# Altium PCB H-00488.PcbDoc (part 9 of 9)
Units mm, origin at the board's own origin, x right, y up, seen from the top; angles counter-clockwise.
Board outline 141.5 x 129 mm, 4 copper layers (Top Layer, Ground Plane, Power Plane, Bottom Layer), stack 1.536 mm thick; 527 components, 572 nets, 2185 pads, 1060 vias.
Unrouted connection lines stored in the file: 97.
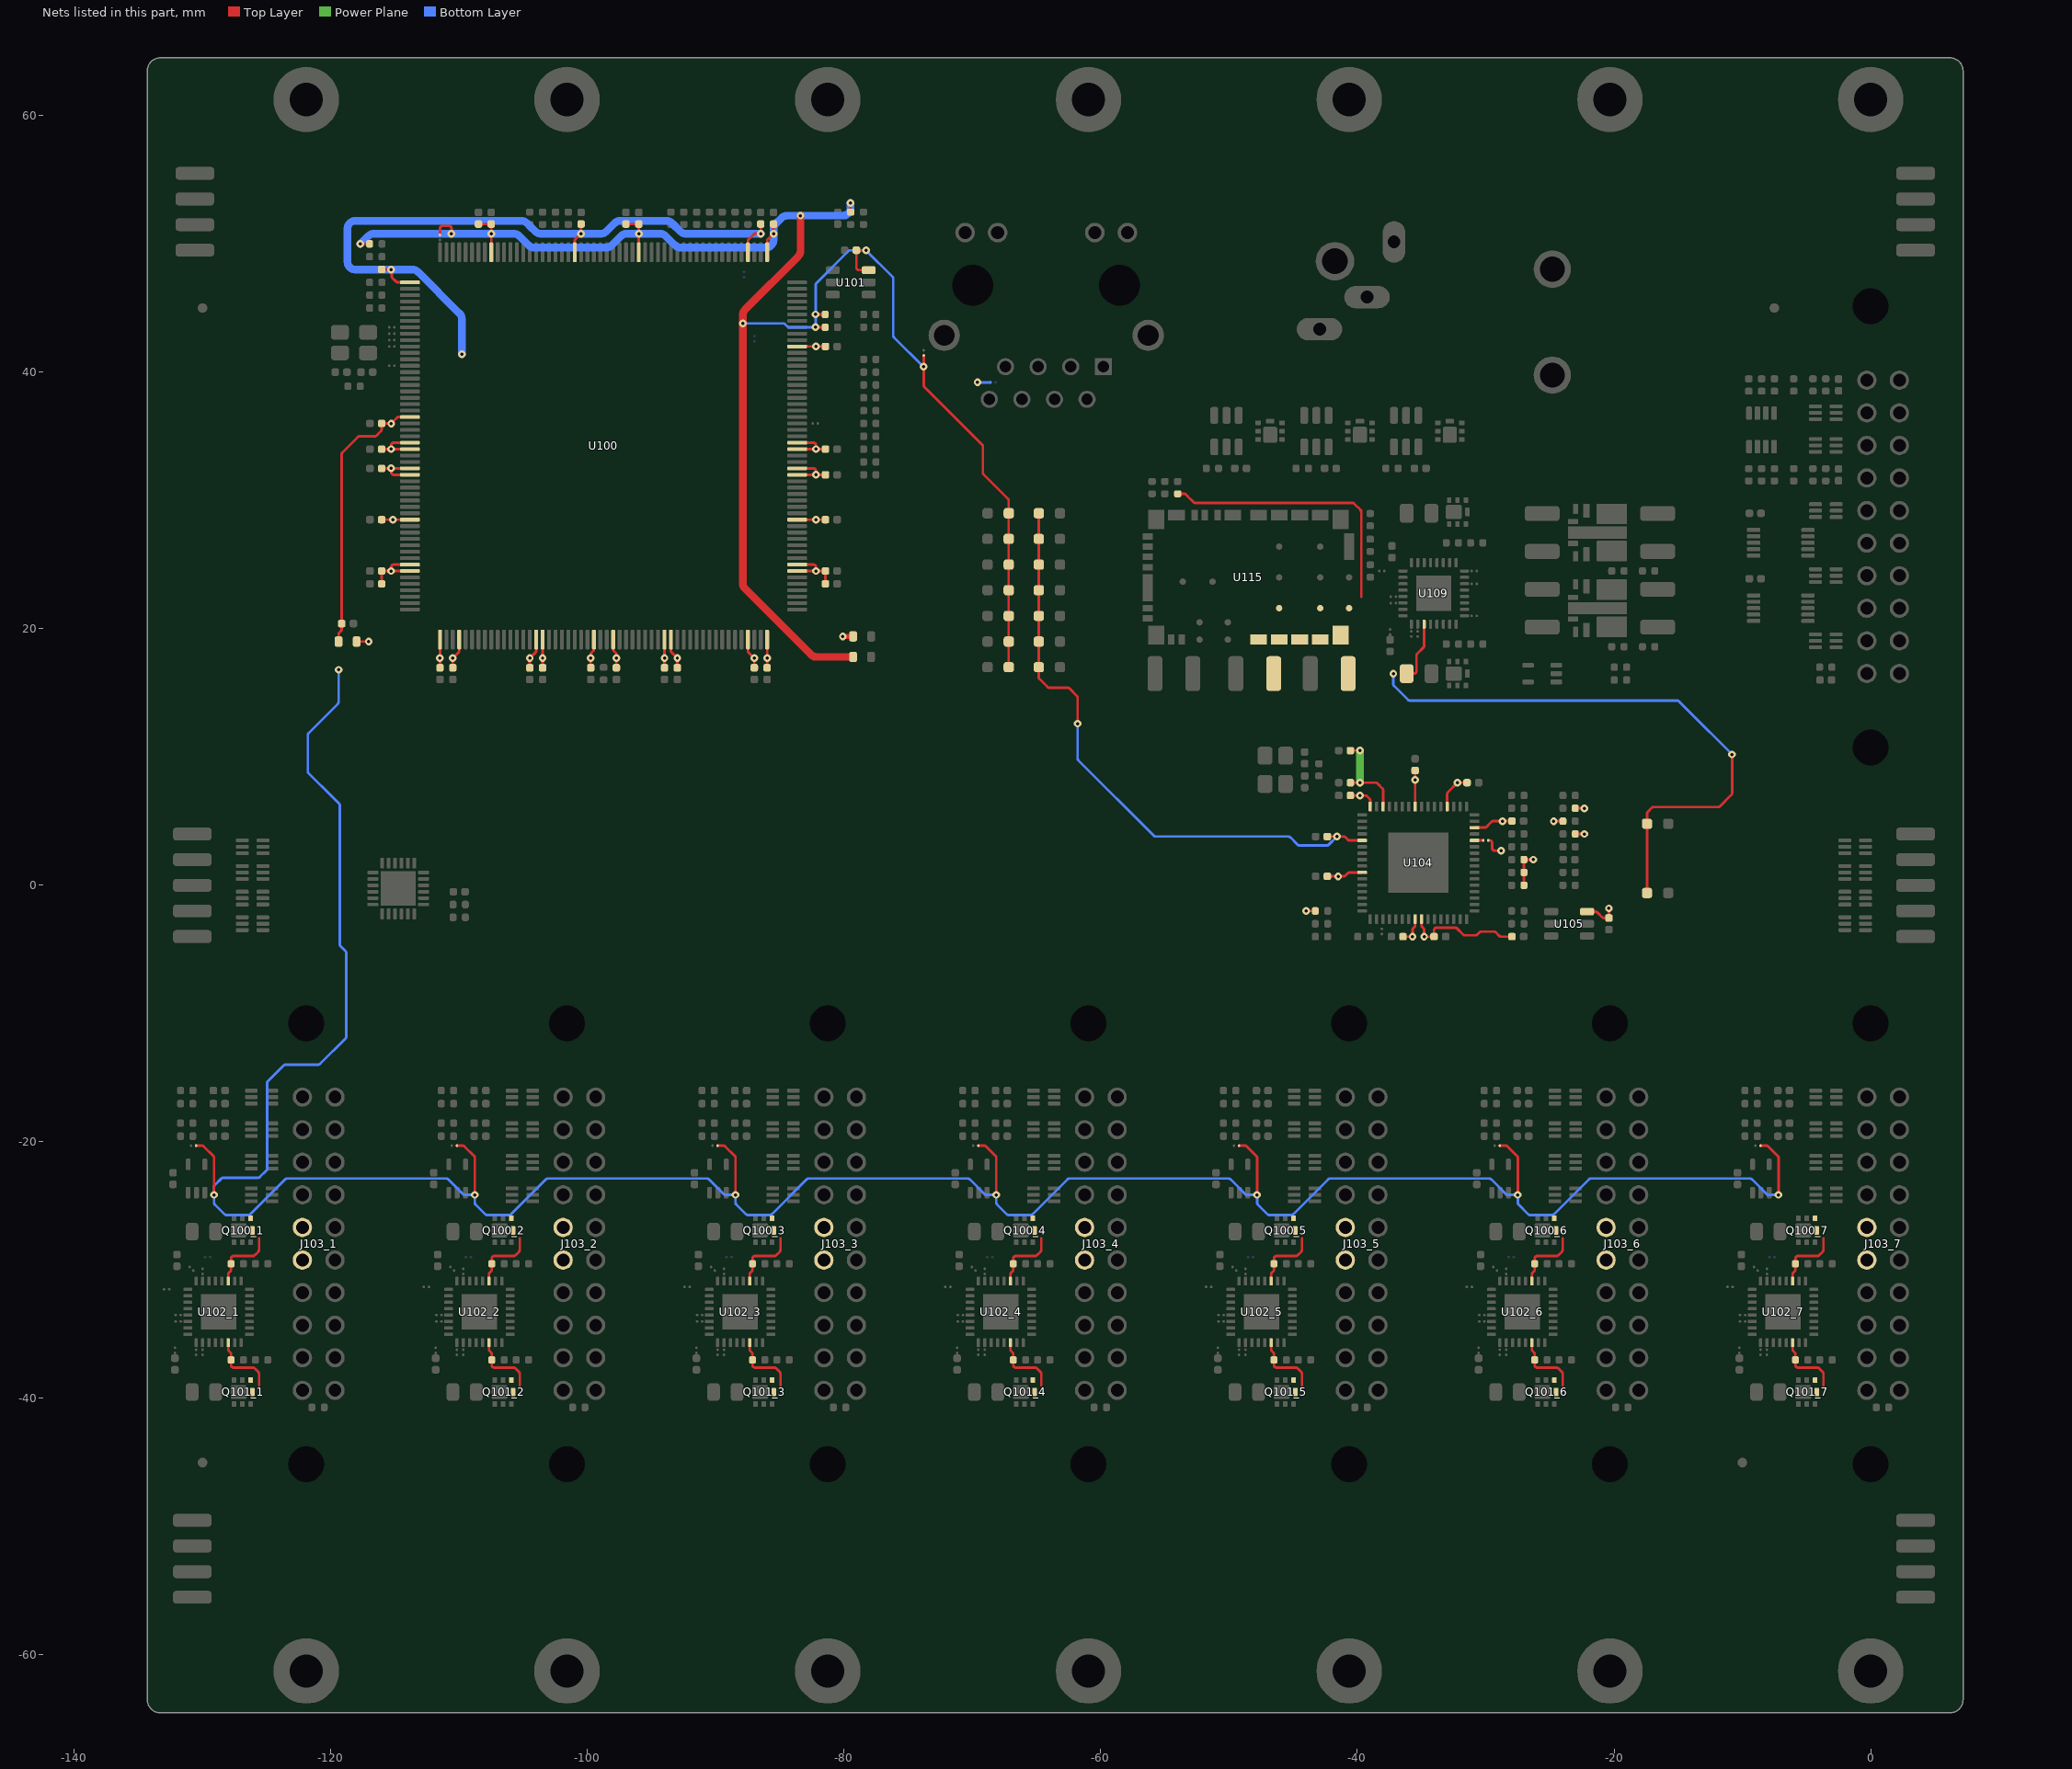
[diagram p11: the nets of this part, all layers, seen from the top]

## Via types
v1: diameter 0.6, hole 0.25, Top Layer to Bottom Layer, 934 vias
v2: diameter 0.7, hole 0.3, Top Layer to Bottom Layer, 112 vias
v3: diameter 1.27, hole 0.711, Top Layer to Bottom Layer, 14 vias

## Nets (pads, with @x,y where several pads share a name; then routed paths per layer and width w, separated by ;. In a path a pad name is that pad's centre, name@x,y a point inside that pad or via, vN(x,y) a via of type N, cw(c..) or ccw(c..) an arc to the next point about the centre after c; other vN are vias at no path point) (continued)
V_LAN_2P1: C100.1 C101.1 C102.1 C103.1 C104.1 C105.1 C106.1 C107.1 C108.1 C109.1 C110.1 C111.1 C112.1 C113.1 C114.1 C115.1 C116.1 C117.1 C118.1 C119.1 C120.1 C121.1 C122.1 C123.1 L101.2 L102.1 NT103.1 NT104.1 NT105.1 NT106.1 NT107.1 NT108.1 NT110.1 NT112.1 U100.1 U100.4 U100.16 U100.17 U100.25 U100.28 U100.36 U100.37 U100.49 U100.52 U100.59 U100.60 U100.67 U100.74 U100.75 U100.78 U100.79 U100.94 U100.108 U100.135 U100.157 U100.182 U100.183 U100.186 U100.187 U100.194 U100.201 U100.202 | length 338.7
  Top Layer w0.2: NT103.1@-130.5,-20.3 -130.042,-20.3 cw(c-130.042,-20.5) -129.9,-20.359 -129.159,-21.1 cw(c-129.3,-21.242) -129.1,-21.242 v1(-129.1,-24.13) ; L102.1@-118,19 v1(-117.05,19) ; C102.1@-116.045,23.5 C111.1@-116.045,24.5 v1(-115.3,24.5) -115.3,24.8 cw(c-115.1,24.8) -115.1,25 U100.201@-113.84,25 ; C106.1@-116.02,48 v1(-115.3,48) -115.257,47.957 -115.257,47.483 ccw(c-115.057,47.483) -115.199,47.341 -114.916,47.059 ccw(c-114.774,47.2) -114.774,47 U100.157@-113.84,47 ; C103.1@-116.007,28.5 v1(-115.162,28.5) U100.194@-113.84,28.5 ; C109.1@-115.945,32.496 -115.941,32.5 v1(-115.3,32.5) ; C101.1@-115.945,34.004 -115.941,34 v1(-115.3,34) ; v1@-115.35,33.95 v1(-115.3,34) ; v1@-115.347,33.857 v1@-115.25,33.954 ; v1@-115.05,24.5 U100.202@-113.84,24.5 ; U100.187@-113.84,32 -115.1,32 cw(c-115.1,32.2) -115.3,32.2 v1(-115.3,32.5) ; U100.186@-113.84,32.5 v1(-115.3,32.5) ; U100.183@-113.84,34 v1(-115.3,34) ; U100.182@-113.84,34.5 -115.1,34.5 ccw(c-115.1,34.3) -115.3,34.3 v1(-115.3,34) ; C108.1@-111.5,16.955 v1(-111.5,17.7) ; v1@-111.5,17.6 U100.1@-111.5,19.16 ; C117.1@-110.5,16.955 v1(-110.5,17.7) -110.058,18.14 ccw(c-110.2,18.281) -110,18.281 U100.4@-110,19.16 ; NT104.1@-110.18,-20.3 -109.722,-20.3 cw(c-109.722,-20.5) -109.58,-20.359 -108.839,-21.1 cw(c-108.98,-21.242) -108.78,-21.242 v1(-108.78,-24.13) ; C110.1@-104.5,16.955 v1(-104.5,17.7) -104.058,18.142 ccw(c-104.2,18.283) -104,18.283 U100.16@-104,19.16 ; C112.1@-103.5,16.955 v1(-103.5,17.7) U100.17@-103.5,19.16 ; U100.135@-101,49.34 -101,50.218 cw(c-100.8,50.217) -100.942,50.358 v1(-100.5,50.8) C104.1@-100.5,51.545 ; C119.1@-99.75,16.955 v1(-99.75,17.7) -99.75,17.983 cw(c-99.55,17.983) -99.691,18.124 -99.559,18.257 ccw(c-99.7,18.398) -99.5,18.398 U100.25@-99.5,19.16 ; U100.28@-98,19.16 -98,18.398 ccw(c-97.8,18.398) -97.941,18.257 -97.809,18.124 cw(c-97.95,17.983) -97.75,17.983 v1(-97.75,17.7) C118.1@-97.75,16.955 ; C120.1@-94,16.955 v1(-94,17.7) ; -94,17.4 U100.36@-94,19.16 ; U100.37@-93.5,19.16 -93.5,18.283 ccw(c-93.3,18.283) -93.442,18.142 v1(-93,17.7) C122.1@-93,16.955 ; NT105.1@-89.86,-20.3 -89.402,-20.3 cw(c-89.402,-20.5) -89.26,-20.359 -88.519,-21.1 cw(c-88.66,-21.242) -88.46,-21.242 v1(-88.46,-24.13) ; U100.49@-87.5,19.16 -87.5,18.281 ccw(c-87.3,18.283) -87.442,18.142 v1(-87,17.7) -87,17.5 C121.1@-87,16.955 ; U100.108@-87.5,49.34 -87.5,50.209 cw(c-87.3,50.209) -87.441,50.351 -87.051,50.741 cw(c-86.909,50.6) -86.909,50.8 v1(-86.5,50.8) C107.1@-86.5,51.545 ; C114.1@-86,17 v1(-86,17.7) ; v1@-86,17.5 U100.52@-86,19.16 ; U100.59@-83.66,24.5 v1@-82.45,24.5 ; U100.60@-83.66,25 -82.4,25 cw(c-82.4,24.8) -82.2,24.8 v1(-82.2,24.5) C105.1@-81.455,24.5 C113.1@-81.455,23.5 ; U100.67@-83.66,28.5 v1(-82.2,28.5) C115.1@-81.455,28.5 C115.1@-81.443,28.5 ; U100.74@-83.66,32 C100.1@-81.455,32 ; U100.75@-83.66,32.5 -82.4,32.5 cw(c-82.4,32.3) -82.2,32.3 v1(-82.2,32) ; U100.78@-83.66,34 v1(-82.2,34) ; U100.79@-83.66,34.5 -82.4,34.5 cw(c-82.4,34.3) -82.2,34.3 v1(-82.2,34) ; U100.94@-83.66,42 v1(-82.2,42) ccw(c-82.197,42.2) -82.197,42 C123.1@-81.455,42 ; C116.1@-81.455,34 v1(-82.2,34) ; NT106.1@-69.54,-20.3 -69.082,-20.3 cw(c-69.082,-20.5) -68.94,-20.359 -68.199,-21.1 cw(c-68.34,-21.242) -68.14,-21.242 v1(-68.14,-24.13) ; NT107.1@-49.22,-20.3 -48.762,-20.3 cw(c-48.762,-20.5) -48.62,-20.359 -47.879,-21.1 cw(c-48.02,-21.242) -47.82,-21.242 v1(-47.82,-24.13) ; NT108.1@-28.9,-20.3 -28.442,-20.3 cw(c-28.442,-20.5) -28.3,-20.359 -27.559,-21.1 cw(c-27.7,-21.242) -27.5,-21.242 v1(-27.5,-24.13) ; NT110.1@-8.58,-20.3 -8.122,-20.3 cw(c-8.122,-20.5) -7.98,-20.359 -7.239,-21.1 cw(c-7.38,-21.242) -7.18,-21.242 v1(-7.18,-24.13)
  Top Layer w0.4: v1(-80.1,19.4) L101.2@-79.3,19.4
  Bottom Layer w0.2: v1(-129.1,-24.13) -129.1,-24.752 ccw(c-128.9,-24.752) -129.042,-24.893 -128.293,-25.642 ccw(c-128.152,-25.5) -128.153,-25.7 -126.413,-25.7 ccw(c-126.413,-25.5) -126.271,-25.641 -123.548,-22.918 cw(c-123.407,-23.06) -123.407,-22.86 -111.004,-22.86 cw(c-111.004,-23.06) -110.861,-22.919 -109.709,-24.071 ccw(c-109.568,-23.93) -109.568,-24.13 v1(-108.78,-24.13) -108.78,-24.752 ccw(c-108.58,-24.752) -108.722,-24.893 -107.973,-25.642 ccw(c-107.832,-25.5) -107.833,-25.7 -106.093,-25.7 ccw(c-106.093,-25.5) -105.951,-25.641 -103.228,-22.918 cw(c-103.087,-23.06) -103.087,-22.86 -90.684,-22.86 cw(c-90.684,-23.06) -90.541,-22.919 -89.389,-24.071 ccw(c-89.248,-23.93) -89.248,-24.13 v1(-88.46,-24.13) -88.46,-24.752 ccw(c-88.26,-24.752) -88.402,-24.893 -87.653,-25.642 ccw(c-87.512,-25.5) -87.513,-25.7 -85.773,-25.7 ccw(c-85.773,-25.5) -85.631,-25.641 -82.908,-22.918 cw(c-82.767,-23.06) -82.767,-22.86 -70.364,-22.86 cw(c-70.364,-23.06) -70.221,-22.919 -69.069,-24.071 ccw(c-68.928,-23.93) -68.928,-24.13 v1(-68.14,-24.13) -68.14,-24.752 ccw(c-67.94,-24.752) -68.082,-24.893 -67.333,-25.642 ccw(c-67.192,-25.5) -67.193,-25.7 -65.453,-25.7 ccw(c-65.453,-25.5) -65.311,-25.641 -62.588,-22.918 cw(c-62.447,-23.06) -62.447,-22.86 -50.044,-22.86 cw(c-50.044,-23.06) -49.901,-22.919 -48.749,-24.071 ccw(c-48.608,-23.93) -48.608,-24.13 v1(-47.82,-24.13) -47.82,-24.752 ccw(c-47.62,-24.752) -47.762,-24.893 -47.013,-25.642 ccw(c-46.872,-25.5) -46.873,-25.7 -45.133,-25.7 ccw(c-45.133,-25.5) -44.991,-25.641 -42.268,-22.918 cw(c-42.127,-23.06) -42.127,-22.86 -29.724,-22.86 cw(c-29.724,-23.06) -29.581,-22.919 -28.429,-24.071 ccw(c-28.288,-23.93) -28.288,-24.13 v1(-27.5,-24.13) -27.5,-24.752 ccw(c-27.3,-24.752) -27.442,-24.893 -26.693,-25.642 ccw(c-26.552,-25.5) -26.553,-25.7 -24.813,-25.7 ccw(c-24.813,-25.5) -24.671,-25.641 -21.948,-22.918 cw(c-21.807,-23.06) -21.807,-22.86 -9.404,-22.86 cw(c-9.404,-23.06) -9.261,-22.919 -8.109,-24.071 ccw(c-7.968,-23.93) -7.968,-24.13 v1(-7.18,-24.13) ; v1@-129.1,-24.1 -129.1,-23.512 cw(c-128.9,-23.513) -129.042,-23.372 -128.528,-22.858 cw(c-128.387,-23) -128.387,-22.8 -125.668,-22.8 ccw(c-125.668,-22.6) -125.527,-22.742 -125.029,-22.244 ccw(c-125.171,-22.103) -124.971,-22.103 -124.971,-15.429 cw(c-124.771,-15.429) -124.913,-15.288 -123.668,-14.043 cw(c-123.527,-14.185) -123.527,-13.985 -120.994,-13.985 ccw(c-120.994,-13.785) -120.853,-13.927 -118.859,-11.932 ccw(c-119,-11.791) -118.8,-11.791 -118.8,-5.283 ccw(c-119,-5.283) -118.858,-5.142 -119.241,-4.759 cw(c-119.1,-4.617) -119.3,-4.617 -119.3,6.217 ccw(c-119.5,6.217) -119.359,6.359 -119.813,6.813 -121.741,8.741 cw(c-121.6,8.883) -121.8,8.883 -121.8,11.718 cw(c-121.6,11.717) -121.742,11.858 -119.458,14.142 ccw(c-119.6,14.283) -119.4,14.283 v1(-119.4,16.8) ; v1(-69.6,39.2) NT112.1@-68.6,39.2
  Bottom Layer w0.6: v1(-109.8,41.4) -109.8,44.151 -109.8,44.153 ccw(c-110.4,44.151) -109.975,44.575 -113.226,47.826 ccw(c-113.649,47.4) -113.649,48 v1(-115.3,48) cw(c-115.305,48.45) -115.306,48 -118.102,48 cw(c-118.1,48.6) -118.7,48.598 -118.7,51.202 cw(c-118.1,51.2) -118.102,51.8 -105.149,51.8 cw(c-105.149,51.2) -104.725,51.625 -104.413,51.313 -104.074,50.974 ccw(c-103.651,51.4) -103.654,50.8 v1(-100.5,50.8) -98.949,50.8 ccw(c-98.949,51.4) -98.525,50.975 -97.875,51.625 cw(c-97.451,51.2) -97.453,51.8 -97.451,51.8 -93.849,51.8 cw(c-93.849,51.2) -93.425,51.625 -93.342,51.541 -92.775,50.975 ccw(c-92.351,51.4) -92.354,50.8 v1(-86.5,50.8)
V_LAN_3P3: C124.1 C125.1 C126.1 C127.1 C128.1 C131.1 D100.A D101.A D102.A D103.A D104.A D105.A D106.A L100.2 NT100.1 NT113.1 R100.1 R112.1 R113.1 R114.1 U100.105 U100.125 U100.148 U101.6 | length 152.9
  Top Layer w0.2: v1(-117.7,50) R100.1@-116.98,50 R100.1@-116.955,50 ; NT100.1@-111.5,50.7 cw(c-111.3,50.703) NT100.1@-111.5,50.7 -111.5,51.2 cw(c-111.3,51.2) -111.3,51.4 -110.801,51.4 cw(c-110.8,51.2) -110.6,51.2 v1(-110.6,50.8) ; C128.1@-108.5,51.545 C124.1@-107.5,51.545 v1(-107.5,50.8) ; U100.148@-107.5,49.34 v1@-107.5,50.9 ; C126.1@-97,51.545 C127.1@-96,51.545 v1(-96,50.8) ; U100.125@-96,49.34 v1@-96,50.9 ; U100.105@-86,49.34 -86,50.218 cw(c-85.8,50.217) -85.942,50.358 v1(-85.5,50.8) ; v1(-85.5,50.8) C125.1@-85.5,51.545 ; v1(-82.22,43.5) R112.1@-81.5,43.5 ; v1(-82.22,44.5) R113.1@-81.5,44.5 ; R114.1@-79.5,52.455 R114.1@-79.5,52.48 v1(-79.5,53.2) ; v1(-78.3,49.5) C131.1@-79.045,49.5 -79.045,48.15 ccw(c-78.845,48.15) -78.845,47.95 U101.6@-78.087,47.95 ; NT113.1@-73.8,41.3 v1(-73.8,40.42) -73.8,38.981 ccw(c-73.6,38.981) -73.741,38.84 -69.242,34.341 cw(c-69.384,34.199) -69.184,34.199 -69.184,32.165 ccw(c-68.984,32.167) -69.125,32.025 -67.234,30.134 cw(c-67.375,29.992) -67.175,29.992 D100.A@-67.175,29 D101.A@-67.175,27 D102.A@-67.175,25 D103.A@-67.175,23 D104.A@-67.175,21 D106.A@-67.175,17
  Top Layer w0.6: v1@-83.4,52.21 v1(-83.4,52.2) -83.4,49.449 cw(c-84,49.449) -83.576,49.024 -87.726,44.874 ccw(c-87.3,44.451) -87.9,44.453 v1(-87.9,43.8) -87.9,23.549 ccw(c-87.3,23.549) -87.725,23.125 -82.574,17.974 ccw(c-82.151,18.4) -82.153,17.8 L100.2@-79.3,17.8
  Bottom Layer w0.2: v1(-87.9,43.8) -84.747,43.8 cw(c-84.747,43.6) -84.605,43.741 -84.422,43.558 ccw(c-84.282,43.7) -84.283,43.5 v1(-82.22,43.5) ; v1@-82.22,43.58 v1(-82.22,44.5) -82.22,46.797 cw(c-82.02,46.797) -82.161,46.939 -79.659,49.441 cw(c-79.517,49.3) -79.517,49.5 v1(-78.3,49.5) -76.235,47.435 cw(c-76.376,47.293) -76.176,47.294 -76.176,42.857 ccw(c-75.976,42.859) -76.118,42.718 -73.807,40.407 ccw(c-73.667,40.55) v1@-73.8,40.4
  Bottom Layer w0.6: v1(-117.7,50) cw(c-117.272,49.58) -117.697,50.003 -117.075,50.625 cw(c-116.651,50.2) -116.651,50.8 v1(-110.6,50.8) v1(-107.5,50.8) -105.749,50.8 cw(c-105.749,50.2) -105.324,50.624 -104.575,49.875 ccw(c-104.151,50.3) -104.154,49.7 -98.549,49.7 ccw(c-98.549,50.3) -98.125,49.875 -97.375,50.625 cw(c-96.951,50.2) -96.951,50.8 v1(-96,50.8) -94.349,50.8 cw(c-94.349,50.2) -93.924,50.624 -93.174,49.874 ccw(c-92.751,50.3) -92.754,49.7 -86.098,49.7 ccw(c-86.1,50.3) -85.5,50.3 v1(-85.5,50.8) -85.5,51.153 cw(c-84.9,51.151) -85.326,51.574 -84.875,52.025 cw(c-84.451,51.6) -84.451,52.2 -80.1,52.2 ccw(c-80.1,52.8) -79.5,52.8 v1(-79.5,53.2)
V_LAN_PL_2P1: C129.1 C130.1 L102.2 U100.178 | length 21.5
  Top Layer w0.2: L102.2@-119.4,19 -119.4,19.551 cw(c-119.2,19.551) -119.341,19.693 -119.214,19.821 ccw(c-119.355,19.962) -119.155,19.962 C130.1@-119.155,20.4 -119.155,33.607 cw(c-118.955,33.607) -119.096,33.749 -117.904,34.941 cw(c-117.762,34.8) -117.764,35 -117.762,35 -116.583,35 ccw(c-116.583,35.2) -116.441,35.059 -116.104,35.396 ccw(c-116.245,35.538) -116.045,35.538 C129.1@-116.045,36 -115.328,36 cw(c-115.328,35.8) v1(-115.293,35.997) cw(c-115.12,35.897) -115.262,36.038 -114.859,36.441 cw(c-114.717,36.3) -114.719,36.5 -114.717,36.5 U100.178@-113.84,36.5
V_OUT_5P0_1: J103_1.B5 Q100_1.4 Q100_1.8 R140_1.1 U102_1.27 | length 5.2
  Top Layer w0.2: U102_1.27@-128,-30.85 -128,-30.338 cw(c-127.8,-30.338) -127.942,-30.197 -127.838,-30.093 ccw(c-127.98,-29.952) -127.78,-29.952 R140_1.1@-127.78,-29.5 -127.78,-29.098 cw(c-127.58,-29.098) -127.579,-28.898 -126.081,-28.898 ccw(c-126.081,-28.698) -125.939,-28.839 -125.659,-28.559 ccw(c-125.8,-28.417) -125.6,-28.417 -125.6,-27.535
V_OUT_5P0_2: J103_2.B5 Q100_2.4 Q100_2.8 R140_2.1 U102_2.27 | length 5.2
  Top Layer w0.2: U102_2.27@-107.68,-30.85 -107.68,-30.338 cw(c-107.48,-30.338) -107.622,-30.197 -107.518,-30.093 ccw(c-107.66,-29.952) -107.46,-29.952 R140_2.1@-107.46,-29.5 -107.46,-29.098 cw(c-107.26,-29.098) -107.259,-28.898 -105.761,-28.898 ccw(c-105.761,-28.698) -105.619,-28.839 -105.339,-28.559 ccw(c-105.48,-28.417) -105.28,-28.417 -105.28,-27.535
V_OUT_5P0_3: J103_3.B5 Q100_3.4 Q100_3.8 R140_3.1 U102_3.27 | length 5.2
  Top Layer w0.2: U102_3.27@-87.36,-30.85 -87.36,-30.338 cw(c-87.16,-30.338) -87.302,-30.197 -87.198,-30.093 ccw(c-87.34,-29.952) -87.14,-29.952 R140_3.1@-87.14,-29.5 -87.14,-29.098 cw(c-86.94,-29.098) -86.939,-28.898 -85.441,-28.898 ccw(c-85.441,-28.698) -85.299,-28.839 -85.019,-28.559 ccw(c-85.16,-28.417) -84.96,-28.417 -84.96,-27.535
V_OUT_5P0_4: J103_4.B5 Q100_4.4 Q100_4.8 R140_4.1 U102_4.27 | length 5.2
  Top Layer w0.2: U102_4.27@-67.04,-30.85 -67.04,-30.338 cw(c-66.84,-30.338) -66.982,-30.197 -66.878,-30.093 ccw(c-67.02,-29.952) -66.82,-29.952 R140_4.1@-66.82,-29.5 -66.82,-29.098 cw(c-66.62,-29.098) -66.619,-28.898 -65.121,-28.898 ccw(c-65.121,-28.698) -64.979,-28.839 -64.699,-28.559 ccw(c-64.84,-28.417) -64.64,-28.417 -64.64,-27.535
V_OUT_5P0_5: J103_5.B5 Q100_5.4 Q100_5.8 R140_5.1 U102_5.27 | length 5.2
  Top Layer w0.2: U102_5.27@-46.72,-30.85 -46.72,-30.338 cw(c-46.52,-30.338) -46.662,-30.197 -46.558,-30.093 ccw(c-46.7,-29.952) -46.5,-29.952 R140_5.1@-46.5,-29.5 -46.5,-29.098 cw(c-46.3,-29.098) -46.299,-28.898 -44.801,-28.898 ccw(c-44.801,-28.698) -44.659,-28.839 -44.379,-28.559 ccw(c-44.52,-28.417) -44.32,-28.417 -44.32,-27.535
V_OUT_5P0_6: J103_6.B5 Q100_6.4 Q100_6.8 R140_6.1 U102_6.27 | length 5.2
  Top Layer w0.2: U102_6.27@-26.4,-30.85 -26.4,-30.338 cw(c-26.2,-30.338) -26.342,-30.197 -26.238,-30.093 ccw(c-26.38,-29.952) -26.18,-29.952 R140_6.1@-26.18,-29.5 -26.18,-29.098 cw(c-25.98,-29.098) -25.979,-28.898 -24.481,-28.898 ccw(c-24.481,-28.698) -24.339,-28.839 -24.059,-28.559 ccw(c-24.2,-28.417) -24,-28.417 -24,-27.535
V_OUT_5P0_7: J103_7.B5 Q100_7.4 Q100_7.8 R140_7.1 U102_7.27 | length 5.2
  Top Layer w0.2: U102_7.27@-6.08,-30.85 -6.08,-30.338 cw(c-5.88,-30.338) -6.022,-30.197 -5.918,-30.093 ccw(c-6.06,-29.952) -5.86,-29.952 R140_7.1@-5.86,-29.5 -5.86,-29.098 cw(c-5.66,-29.098) -5.659,-28.898 -4.161,-28.898 ccw(c-4.161,-28.698) -4.019,-28.839 -3.739,-28.559 ccw(c-3.88,-28.417) -3.68,-28.417 -3.68,-27.535
V_OUT_24P0_1: J103_1.B6 Q101_1.4 Q101_1.8 R143_1.1 U102_1.14 | length 5.2
  Top Layer w0.2: U102_1.14@-128,-35.65 -128,-36.173 ccw(c-127.8,-36.173) -127.941,-36.314 -127.839,-36.417 cw(c-127.98,-36.558) -127.78,-36.558 -127.78,-37.402 ccw(c-127.58,-37.402) -127.579,-37.602 -126.081,-37.602 cw(c-126.081,-37.802) -125.939,-37.661 -125.659,-37.941 cw(c-125.8,-38.083) -125.6,-38.083 -125.6,-38.965
V_OUT_24P0_2: J103_2.B6 Q101_2.4 Q101_2.8 R143_2.1 U102_2.14 | length 5.2
  Top Layer w0.2: U102_2.14@-107.68,-35.65 -107.68,-36.173 ccw(c-107.48,-36.173) -107.621,-36.314 -107.519,-36.417 cw(c-107.66,-36.558) -107.46,-36.558 -107.46,-37.402 ccw(c-107.26,-37.402) -107.259,-37.602 -105.761,-37.602 cw(c-105.761,-37.802) -105.619,-37.661 -105.339,-37.941 cw(c-105.48,-38.083) -105.28,-38.083 -105.28,-38.965
V_OUT_24P0_3: J103_3.B6 Q101_3.4 Q101_3.8 R143_3.1 U102_3.14 | length 5.2
  Top Layer w0.2: U102_3.14@-87.36,-35.65 -87.36,-36.173 ccw(c-87.16,-36.173) -87.301,-36.314 -87.199,-36.417 cw(c-87.34,-36.558) -87.14,-36.558 -87.14,-37.402 ccw(c-86.94,-37.402) -86.939,-37.602 -85.441,-37.602 cw(c-85.441,-37.802) -85.299,-37.661 -85.019,-37.941 cw(c-85.16,-38.083) -84.96,-38.083 -84.96,-38.965
V_OUT_24P0_4: J103_4.B6 Q101_4.4 Q101_4.8 R143_4.1 U102_4.14 | length 5.2
  Top Layer w0.2: U102_4.14@-67.04,-35.65 -67.04,-36.173 ccw(c-66.84,-36.173) -66.981,-36.314 -66.879,-36.417 cw(c-67.02,-36.558) -66.82,-36.558 -66.82,-37.402 ccw(c-66.62,-37.402) -66.619,-37.602 -65.121,-37.602 cw(c-65.121,-37.802) -64.979,-37.661 -64.699,-37.941 cw(c-64.84,-38.083) -64.64,-38.083 -64.64,-38.965
V_OUT_24P0_5: J103_5.B6 Q101_5.4 Q101_5.8 R143_5.1 U102_5.14 | length 5.2
  Top Layer w0.2: U102_5.14@-46.72,-35.65 -46.72,-36.173 ccw(c-46.52,-36.173) -46.661,-36.314 -46.559,-36.417 cw(c-46.7,-36.558) -46.5,-36.558 -46.5,-37.402 ccw(c-46.3,-37.402) -46.299,-37.602 -44.801,-37.602 cw(c-44.801,-37.802) -44.659,-37.661 -44.379,-37.941 cw(c-44.52,-38.083) -44.32,-38.083 -44.32,-38.965
V_OUT_24P0_6: J103_6.B6 Q101_6.4 Q101_6.8 R143_6.1 U102_6.14 | length 5.2
  Top Layer w0.2: U102_6.14@-26.4,-35.65 -26.4,-36.173 ccw(c-26.2,-36.173) -26.341,-36.314 -26.239,-36.417 cw(c-26.38,-36.558) -26.18,-36.558 -26.18,-37.402 ccw(c-25.98,-37.402) -25.979,-37.602 -24.481,-37.602 cw(c-24.481,-37.802) -24.339,-37.661 -24.059,-37.941 cw(c-24.2,-38.083) -24,-38.083 -24,-38.965
V_OUT_24P0_7: J103_7.B6 Q101_7.4 Q101_7.8 R143_7.1 U102_7.14 | length 5.2
  Top Layer w0.2: U102_7.14@-6.08,-35.65 -6.08,-36.173 ccw(c-5.88,-36.173) -6.021,-36.314 -5.919,-36.417 cw(c-6.06,-36.558) -5.86,-36.558 -5.86,-37.402 ccw(c-5.66,-37.402) -5.659,-37.602 -4.161,-37.602 cw(c-4.161,-37.802) -4.019,-37.661 -3.739,-37.941 cw(c-3.88,-38.083) -3.68,-38.083 -3.68,-38.965
V_REG_5P0: C170.1 C171.1 D131.A D132.A R101.1 R188.2 U109.11 U115.24 U115.25 U115.26 U115.27 U115.28 U115.29 U115.36 U115.37 | length 72.3
  Top Layer w0.2: R101.1@-54,30.52 -53.503,30.52 cw(c-53.503,30.32) -53.362,30.462 -53.245,30.345 -52.758,29.858 ccw(c-52.617,30) -52.618,29.8 -40.383,29.8 cw(c-40.383,29.6) -40.242,29.742 -39.758,29.258 cw(c-39.9,29.117) -39.7,29.117 -39.7,22.5 ; R188.2@-36.165,16.5 -35.594,16.5 ccw(c-35.594,16.7) -35.394,16.7 -35.394,17.301 -35.4,17.308 -35.4,17.909 cw(c-35.2,17.909) -35.342,18.051 -34.859,18.533 ccw(c-35,18.675) -34.8,18.675 U109.11@-34.8,20.342 ; D132.A@-17.425,-0.6 D131.A@-17.425,4.8 -17.425,5.593 cw(c-17.225,5.592) -17.367,5.733 -17.058,6.042 cw(c-16.917,5.9) -16.918,6.1 ; -16.917,6.1 -11.883,6.1 ccw(c-11.883,6.3) -11.742,6.158 -10.858,7.042 ccw(c-11,7.183) -10.8,7.183 v1(-10.8,10.2)